# Altium PCB Slave.PcbDoc (part 6 of 11) (continued)
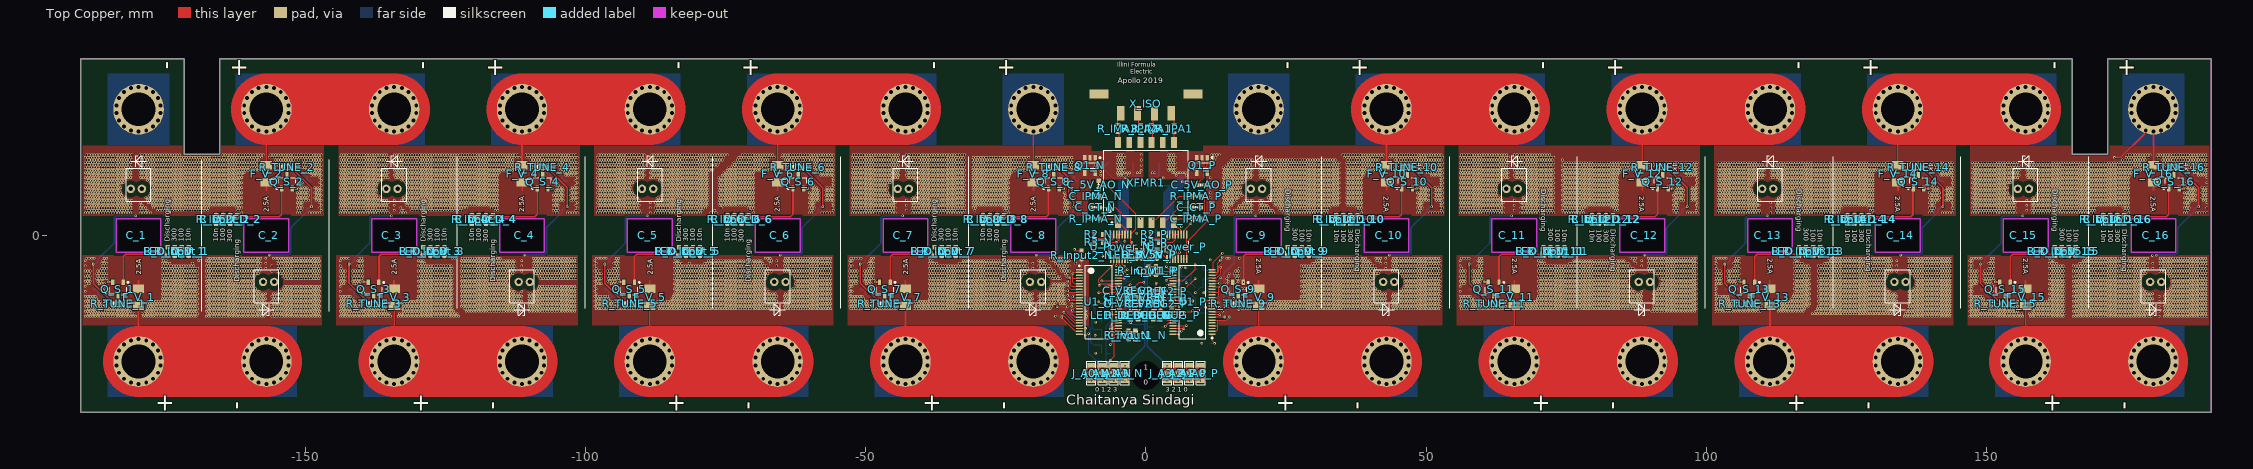
[diagram p0: Top Copper view]
## Nets (pads, with @x,y where several pads share a name; then routed paths per layer and width w, separated by ;. In a path a pad name is that pad's centre, name@x,y a point inside that pad or via, vN(x,y) a via of type N, cw(c..) or ccw(c..) an arc to the next point about the centre after c; other vN are vias at no path point) (continued)
F_10: C_V_10.2 F_V_10.2 PTC_10.2 Q_D_10.2 R_D_LED_10.2 R_Input_10.1 | length 3.9
  Top Copper w0.254: C_V_10.2@33.95,3.6 R_Input_10.1@35.2,3.6 R_D_LED_10.2@36.45,3.6
  Top Copper w0.305: 42.925,8.1 F_V_10.2@42.925,9.48
  other v1: 11.499,4 13.749,4 14.199,4 14.649,4 15.999,4 16.449,4 16.899,4 17.349,4 17.799,4 18.249,4 18.699,4 20.499,4 20.949,4 21.399,4 21.849,4 22.299,4 22.749,4 24.549,4 24.999,4 25.449,4 25.899,4 26.349,4 26.799,4 27.249,4 27.699,4 28.149,4 28.599,4 29.049,4 29.499,4 29.949,4 30.399,4 30.849,4 31.299,4 31.749,4 32.199,4 38.499,4 48.399,4 48.849,4 50.649,4 51.099,4 51.549,4 51.999,4 52.449,4 52.899,4 13.974,4.45 14.424,4.45 14.874,4.45 15.774,4.45 16.224,4.45 16.674,4.45 17.124,4.45 17.574,4.45 18.024,4.45 18.474,4.45 18.924,4.45 20.274,4.45 20.724,4.45 21.174,4.45 21.624,4.45 22.074,4.45 22.524,4.45 23.874,4.45 24.324,4.45 24.774,4.45 25.224,4.45 25.674,4.45 26.124,4.45 26.574,4.45 27.024,4.45 27.474,4.45 27.924,4.45 28.374,4.45 28.824,4.45 29.274,4.45 29.724,4.45 30.174,4.45 30.624,4.45 31.074,4.45 31.524,4.45 31.974,4.45 32.424,4.45 37.824,4.45 38.274,4.45 48.624,4.45 49.074,4.45 52.674,4.45 11.499,4.9 13.749,4.9 14.199,4.9 14.649,4.9 16.449,4.9 16.899,4.9 17.349,4.9 17.799,4.9 18.249,4.9 18.699,4.9 20.499,4.9 20.949,4.9 21.399,4.9 21.849,4.9 23.649,4.9 24.099,4.9 24.549,4.9 24.999,4.9 25.449,4.9 25.899,4.9 26.349,4.9 26.799,4.9 27.249,4.9 27.699,4.9 28.149,4.9 28.599,4.9 29.049,4.9 29.499,4.9 29.949,4.9 30.399,4.9 30.849,4.9 31.299,4.9 31.749,4.9 32.199,4.9 32.649,4.9 37.599,4.9 38.049,4.9 38.499,4.9 48.399,4.9 48.849,4.9 49.299,4.9 52.449,4.9 52.899,4.9 13.974,5.35 14.424,5.35 14.874,5.35 15.324,5.35 16.674,5.35 17.124,5.35 17.574,5.35 18.024,5.35 18.474,5.35 18.924,5.35 20.274,5.35 20.724,5.35 21.174,5.35 21.624,5.35 22.974,5.35 23.424,5.35 23.874,5.35 24.324,5.35 24.774,5.35 25.224,5.35 25.674,5.35 26.124,5.35 26.574,5.35 27.024,5.35 27.474,5.35 27.924,5.35 28.374,5.35 28.824,5.35 29.274,5.35 29.724,5.35 30.174,5.35 30.624,5.35 31.074,5.35 31.524,5.35 31.974,5.35 32.424,5.35 32.874,5.35 33.324,5.35 33.774,5.35 34.224,5.35 36.024,5.35 36.474,5.35 36.924,5.35 37.374,5.35 37.824,5.35 38.274,5.35 48.624,5.35 49.074,5.35 52.674,5.35 11.499,5.8 13.749,5.8 14.199,5.8 14.649,5.8 15.099,5.8 15.549,5.8 17.349,5.8 17.799,5.8 18.249,5.8 18.699,5.8 20.499,5.8 20.949,5.8 22.749,5.8 23.199,5.8 23.649,5.8 24.099,5.8 24.549,5.8 24.999,5.8 25.449,5.8 25.899,5.8 26.349,5.8 26.799,5.8 27.249,5.8 27.699,5.8 28.149,5.8 28.599,5.8 29.049,5.8 29.499,5.8 29.949,5.8 30.399,5.8 30.849,5.8 31.299,5.8 31.749,5.8 32.199,5.8 32.649,5.8 33.099,5.8 33.549,5.8 33.999,5.8 34.449,5.8 35.799,5.8 36.249,5.8 36.699,5.8 37.149,5.8 37.599,5.8 38.049,5.8 38.499,5.8 48.399,5.8 48.849,5.8 49.299,5.8 52.449,5.8 52.899,5.8 13.974,6.25 14.424,6.25 14.874,6.25 15.324,6.25 15.774,6.25 16.224,6.25 17.574,6.25 18.024,6.25 18.474,6.25 18.924,6.25 20.274,6.25 20.724,6.25 22.074,6.25 22.524,6.25 22.974,6.25 23.424,6.25 23.874,6.25 24.324,6.25 24.774,6.25 25.224,6.25 25.674,6.25 26.124,6.25 26.574,6.25 27.024,6.25 27.474,6.25 27.924,6.25 28.374,6.25 28.824,6.25 29.274,6.25 29.724,6.25 30.174,6.25 30.624,6.25 31.074,6.25 31.524,6.25 31.974,6.25 32.424,6.25 32.874,6.25 33.324,6.25 33.774,6.25 34.224,6.25 36.024,6.25 36.474,6.25 36.924,6.25 37.374,6.25 37.824,6.25 38.274,6.25 48.624,6.25 49.074,6.25 49.524,6.25 49.974,6.25 50.424,6.25 51.774,6.25 52.224,6.25 52.674,6.25 11.499,6.7 13.749,6.7 14.199,6.7 14.649,6.7 15.099,6.7 15.549,6.7 15.999,6.7 16.449,6.7 21.849,6.7 22.299,6.7 22.749,6.7 23.199,6.7 23.649,6.7 24.099,6.7 24.549,6.7 24.999,6.7 25.449,6.7 25.899,6.7 26.349,6.7 26.799,6.7 27.249,6.7 27.699,6.7 28.149,6.7 28.599,6.7 29.049,6.7 29.499,6.7 29.949,6.7 30.399,6.7 30.849,6.7 31.299,6.7 31.749,6.7 32.199,6.7 32.649,6.7 33.099,6.7 33.549,6.7 33.999,6.7 34.449,6.7 35.799,6.7 36.249,6.7 36.699,6.7 37.149,6.7 37.599,6.7 38.049,6.7 38.499,6.7 48.399,6.7 48.849,6.7 49.299,6.7 49.749,6.7 50.199,6.7 51.549,6.7 51.999,6.7 52.449,6.7 52.899,6.7 13.974,7.15 14.424,7.15 14.874,7.15 15.324,7.15 15.774,7.15 16.224,7.15 16.674,7.15 17.124,7.15 22.074,7.15 22.524,7.15 22.974,7.15 23.424,7.15 23.874,7.15 24.324,7.15 24.774,7.15 25.224,7.15 25.674,7.15 26.124,7.15 26.574,7.15 27.024,7.15 27.474,7.15 27.924,7.15 28.374,7.15 28.824,7.15 29.274,7.15 29.724,7.15 30.174,7.15 30.624,7.15 31.074,7.15 31.524,7.15 31.974,7.15 32.424,7.15 32.874,7.15 33.324,7.15 33.774,7.15 34.224,7.15 36.024,7.15 36.474,7.15 36.924,7.15 37.374,7.15 37.824,7.15 38.274,7.15 48.624,7.15 49.074,7.15 49.524,7.15 49.974,7.15 50.424,7.15 51.774,7.15 52.224,7.15 52.674,7.15 11.499,7.6 13.749,7.6 14.199,7.6 14.649,7.6 15.099,7.6 15.549,7.6 15.999,7.6 16.449,7.6 16.899,7.6 22.299,7.6 22.749,7.6 23.199,7.6 23.649,7.6 24.099,7.6 24.549,7.6 24.999,7.6 25.449,7.6 25.899,7.6 26.349,7.6 26.799,7.6 27.249,7.6 27.699,7.6 28.149,7.6 28.599,7.6 29.049,7.6 29.499,7.6 29.949,7.6 30.399,7.6 30.849,7.6 31.299,7.6 31.749,7.6 32.199,7.6 32.649,7.6 33.099,7.6 33.549,7.6 33.999,7.6 34.449,7.6 35.799,7.6 36.249,7.6 36.699,7.6 37.149,7.6 37.599,7.6 38.049,7.6 38.499,7.6 48.399,7.6 48.849,7.6 49.299,7.6 49.749,7.6 50.199,7.6 51.549,7.6 51.999,7.6 52.449,7.6 52.899,7.6 13.974,8.05 14.424,8.05 14.874,8.05 15.324,8.05 15.774,8.05 16.224,8.05 16.674,8.05 22.524,8.05 22.974,8.05 23.424,8.05 23.874,8.05 24.324,8.05 24.774,8.05 25.224,8.05 25.674,8.05 26.124,8.05 26.574,8.05 27.024,8.05 27.474,8.05 27.924,8.05 28.374,8.05 28.824,8.05 29.274,8.05 29.724,8.05 30.174,8.05 30.624,8.05 31.074,8.05 31.524,8.05 31.974,8.05 32.424,8.05 32.874,8.05 33.324,8.05 33.774,8.05 34.224,8.05 36.024,8.05 36.474,8.05 36.924,8.05 37.374,8.05 37.824,8.05 38.274,8.05 49.074,8.05 49.524,8.05 49.974,8.05 50.424,8.05 51.774,8.05 52.224,8.05 52.674,8.05 11.499,8.5 13.749,8.5 14.199,8.5 14.649,8.5 15.099,8.5 15.549,8.5 15.999,8.5 16.449,8.5 16.899,8.5 22.749,8.5 23.199,8.5 23.649,8.5 24.099,8.5 24.549,8.5 24.999,8.5 25.449,8.5 25.899,8.5 26.349,8.5 26.799,8.5 27.249,8.5 27.699,8.5 28.149,8.5 28.599,8.5 29.049,8.5 29.499,8.5 29.949,8.5 30.399,8.5 30.849,8.5 31.299,8.5 31.749,8.5 32.199,8.5 32.649,8.5 33.099,8.5 33.549,8.5 33.999,8.5 34.449,8.5 35.799,8.5 36.249,8.5 36.699,8.5 37.149,8.5 37.599,8.5 38.049,8.5 38.499,8.5 48.849,8.5 49.299,8.5 49.749,8.5 50.199,8.5 51.549,8.5 51.999,8.5 52.449,8.5 52.899,8.5 13.974,8.95 14.424,8.95 14.874,8.95 15.324,8.95 15.774,8.95 16.224,8.95 16.674,8.95 22.524,8.95 22.974,8.95 23.424,8.95 23.874,8.95 24.324,8.95 24.774,8.95 25.224,8.95 25.674,8.95 26.124,8.95 26.574,8.95 27.024,8.95 27.474,8.95 27.924,8.95 28.374,8.95 28.824,8.95 29.274,8.95 29.724,8.95 30.174,8.95 30.624,8.95 31.074,8.95 31.524,8.95 31.974,8.95 32.424,8.95 32.874,8.95 33.324,8.95 33.774,8.95 34.224,8.95 36.024,8.95 36.474,8.95 36.924,8.95 37.374,8.95 37.824,8.95 38.274,8.95 49.074,8.95 52.674,8.95 11.499,9.4 13.749,9.4 14.199,9.4 14.649,9.4 15.099,9.4 15.549,9.4 15.999,9.4 16.449,9.4 16.899,9.4 17.349,9.4 22.299,9.4 22.749,9.4 23.199,9.4 23.649,9.4 24.099,9.4 24.549,9.4 24.999,9.4 25.449,9.4 25.899,9.4 26.349,9.4 26.799,9.4 27.249,9.4 27.699,9.4 28.149,9.4 28.599,9.4 29.049,9.4 29.499,9.4 29.949,9.4 30.399,9.4 30.849,9.4 31.299,9.4 31.749,9.4 32.199,9.4 32.649,9.4 33.099,9.4 33.549,9.4 33.999,9.4 34.449,9.4 35.799,9.4 36.249,9.4 36.699,9.4 37.149,9.4 37.599,9.4 38.049,9.4 38.499,9.4 48.849,9.4 49.299,9.4 52.449,9.4 52.899,9.4 13.974,9.85 14.424,9.85 14.874,9.85 15.324,9.85 15.774,9.85 16.224,9.85 16.674,9.85 17.124,9.85 17.574,9.85 21.624,9.85 22.074,9.85 22.524,9.85 22.974,9.85 23.424,9.85 23.874,9.85 24.324,9.85 24.774,9.85 25.224,9.85 25.674,9.85 26.124,9.85 26.574,9.85 27.024,9.85 27.474,9.85 27.924,9.85 28.374,9.85 28.824,9.85 29.274,9.85 29.724,9.85 30.174,9.85 30.624,9.85 31.074,9.85 31.524,9.85 31.974,9.85 32.424,9.85 32.874,9.85 33.324,9.85 33.774,9.85 34.224,9.85 36.024,9.85 36.474,9.85 36.924,9.85 37.374,9.85 37.824,9.85 38.274,9.85 52.674,9.85 11.499,10.3 13.749,10.3 14.199,10.3 14.649,10.3 15.099,10.3 15.549,10.3 15.999,10.3 16.449,10.3 16.899,10.3 17.349,10.3 17.799,10.3 18.249,10.3 18.699,10.3 20.499,10.3 20.949,10.3 21.399,10.3 21.849,10.3 22.299,10.3 22.749,10.3 23.199,10.3 23.649,10.3 24.099,10.3 24.549,10.3 24.999,10.3 25.449,10.3 25.899,10.3 26.349,10.3 26.799,10.3 27.249,10.3 27.699,10.3 28.149,10.3 28.599,10.3 29.049,10.3 29.499,10.3 29.949,10.3 30.399,10.3 30.849,10.3 31.299,10.3 31.749,10.3 32.199,10.3 32.649,10.3 33.099,10.3 33.549,10.3 33.999,10.3 34.449,10.3 35.799,10.3 36.249,10.3 36.699,10.3 37.149,10.3 37.599,10.3 38.049,10.3 38.499,10.3 52.449,10.3 52.899,10.3 13.974,10.75 14.424,10.75 14.874,10.75 15.324,10.75 15.774,10.75 16.224,10.75 16.674,10.75 17.124,10.75 17.574,10.75 18.024,10.75 18.474,10.75 18.924,10.75 20.274,10.75 20.724,10.75 21.174,10.75 21.624,10.75 22.074,10.75 22.524,10.75 22.974,10.75 23.424,10.75 23.874,10.75 24.324,10.75 24.774,10.75 25.224,10.75 25.674,10.75 26.124,10.75 26.574,10.75 27.024,10.75 27.474,10.75 27.924,10.75 28.374,10.75 28.824,10.75 29.274,10.75 29.724,10.75 30.174,10.75 30.624,10.75 31.074,10.75 31.524,10.75 31.974,10.75 32.424,10.75 32.874,10.75 33.324,10.75 33.774,10.75 34.224,10.75 36.024,10.75 36.474,10.75 36.924,10.75 37.374,10.75 37.824,10.75 38.274,10.75 38.724,10.75 50.874,10.75 51.324,10.75 51.774,10.75 52.224,10.75 52.674,10.75 13.749,11.2 14.199,11.2 14.649,11.2 15.099,11.2 15.549,11.2 15.999,11.2 16.449,11.2 16.899,11.2 17.349,11.2 17.799,11.2 18.249,11.2 18.699,11.2 20.499,11.2 20.949,11.2 21.399,11.2 21.849,11.2 22.299,11.2 22.749,11.2 23.199,11.2 23.649,11.2 24.099,11.2 24.549,11.2 24.999,11.2 25.449,11.2 25.899,11.2 26.349,11.2 26.799,11.2 27.249,11.2 27.699,11.2 28.149,11.2 28.599,11.2 29.049,11.2 29.499,11.2 29.949,11.2 30.399,11.2 30.849,11.2 31.299,11.2 31.749,11.2 32.199,11.2 32.649,11.2 33.099,11.2 33.549,11.2 33.999,11.2 34.449,11.2 35.799,11.2 36.249,11.2 36.699,11.2 37.149,11.2 37.599,11.2 38.049,11.2 38.499,11.2 38.949,11.2 50.199,11.2 50.649,11.2 51.099,11.2 51.549,11.2 51.999,11.2 52.449,11.2 52.899,11.2 13.974,11.65 14.424,11.65 14.874,11.65 15.324,11.65 15.774,11.65 16.224,11.65 16.674,11.65 17.124,11.65 17.574,11.65 18.024,11.65 18.474,11.65 18.924,11.65 20.274,11.65 20.724,11.65 21.174,11.65 21.624,11.65 22.074,11.65 22.524,11.65 22.974,11.65 23.424,11.65 23.874,11.65 24.324,11.65 24.774,11.65 25.224,11.65 25.674,11.65 26.124,11.65 26.574,11.65 27.024,11.65 27.474,11.65 27.924,11.65 28.374,11.65 28.824,11.65 29.274,11.65 29.724,11.65 30.174,11.65 30.624,11.65 31.074,11.65 31.524,11.65 31.974,11.65 32.424,11.65 32.874,11.65 33.324,11.65 33.774,11.65 34.224,11.65 36.024,11.65 36.474,11.65 36.924,11.65 37.374,11.65 37.824,11.65 38.274,11.65 38.724,11.65 39.174,11.65 39.624,11.65 40.074,11.65 40.524,11.65 40.974,11.65 41.424,11.65 49.974,11.65 50.424,11.65 50.874,11.65 51.324,11.65 51.774,11.65 52.224,11.65 52.674,11.65 11.499,12.1 13.749,12.1 14.199,12.1 14.649,12.1 15.099,12.1 15.549,12.1 15.999,12.1 16.449,12.1 16.899,12.1 17.349,12.1 17.799,12.1 18.249,12.1 18.699,12.1 20.499,12.1 20.949,12.1 21.399,12.1 21.849,12.1 22.299,12.1 22.749,12.1 23.199,12.1 23.649,12.1 24.099,12.1 24.549,12.1 24.999,12.1 25.449,12.1 25.899,12.1 26.349,12.1 26.799,12.1 27.249,12.1 27.699,12.1 28.149,12.1 28.599,12.1 29.049,12.1 29.499,12.1 29.949,12.1 30.399,12.1 30.849,12.1 31.299,12.1 31.749,12.1 32.199,12.1 32.649,12.1 33.099,12.1 33.549,12.1 33.999,12.1 34.449,12.1 35.799,12.1 36.249,12.1 36.699,12.1 37.149,12.1 37.599,12.1 38.049,12.1 38.499,12.1 38.949,12.1 39.399,12.1 39.849,12.1 40.299,12.1 40.749,12.1 41.199,12.1 44.349,12.1 49.299,12.1 49.749,12.1 50.199,12.1 50.649,12.1 51.099,12.1 51.549,12.1 51.999,12.1 52.449,12.1 52.899,12.1 14.424,12.55 14.874,12.55 15.324,12.55 15.774,12.55 16.224,12.55 16.674,12.55 17.124,12.55 17.574,12.55 18.024,12.55 18.474,12.55 18.924,12.55 20.274,12.55 20.724,12.55 21.174,12.55 21.624,12.55 22.074,12.55 22.524,12.55 22.974,12.55 23.424,12.55 23.874,12.55 24.324,12.55 24.774,12.55 25.224,12.55 25.674,12.55 26.124,12.55 26.574,12.55 27.024,12.55 27.474,12.55 27.924,12.55 28.374,12.55 28.824,12.55 29.274,12.55 29.724,12.55 30.174,12.55 30.624,12.55 31.074,12.55 31.524,12.55 31.974,12.55 32.424,12.55 32.874,12.55 33.324,12.55 33.774,12.55 34.224,12.55 36.024,12.55 36.474,12.55 36.924,12.55 37.374,12.55 37.824,12.55 38.274,12.55 38.724,12.55 39.174,12.55 39.624,12.55 40.074,12.55 40.524,12.55 40.974,12.55 41.424,12.55 44.574,12.55 45.024,12.55 49.074,12.55 49.524,12.55 49.974,12.55 50.424,12.55 50.874,12.55 51.324,12.55 51.774,12.55 52.224,12.55 52.674,12.55 11.499,13 14.649,13 15.099,13 15.549,13 15.999,13 16.449,13 16.899,13 17.349,13 17.799,13 18.249,13 18.699,13 20.499,13 20.949,13 21.399,13 21.849,13 22.299,13 22.749,13 23.199,13 23.649,13 24.099,13 24.549,13 24.999,13 25.449,13 25.899,13 26.349,13 26.799,13 27.249,13 27.699,13 28.149,13 28.599,13 29.049,13 29.499,13 29.949,13 30.399,13 30.849,13 31.299,13 31.749,13 32.199,13 32.649,13 33.099,13 33.549,13 33.999,13 34.449,13 35.799,13 36.249,13 36.699,13 37.149,13 37.599,13 38.049,13 38.499,13 38.949,13 39.399,13 39.849,13 40.299,13 40.749,13 41.199,13 44.349,13 44.799,13 45.249,13 45.699,13 46.149,13 46.599,13 47.049,13 47.499,13 47.949,13 48.399,13 48.849,13 49.299,13 49.749,13 50.199,13 50.649,13 51.099,13 51.549,13 51.999,13 52.449,13 52.899,13 11.724,13.45 12.174,13.45 15.324,13.45 15.774,13.45 16.224,13.45 16.674,13.45 17.124,13.45 17.574,13.45 18.024,13.45 18.474,13.45 18.924,13.45 20.274,13.45 20.724,13.45 21.174,13.45 21.624,13.45 22.074,13.45 22.524,13.45 22.974,13.45 23.424,13.45 23.874,13.45 24.324,13.45 24.774,13.45 25.224,13.45 25.674,13.45 26.124,13.45 26.574,13.45 27.024,13.45 27.474,13.45 27.924,13.45 28.374,13.45 28.824,13.45 29.274,13.45 29.724,13.45 30.174,13.45 30.624,13.45 31.074,13.45 31.524,13.45 31.974,13.45 32.424,13.45 32.874,13.45 33.324,13.45 33.774,13.45 36.024,13.45 36.474,13.45 36.924,13.45 37.374,13.45 37.824,13.45 38.274,13.45 38.724,13.45 39.174,13.45 39.624,13.45 40.074,13.45 40.524,13.45 40.974,13.45 41.424,13.45 44.574,13.45 45.024,13.45 45.474,13.45 45.924,13.45 46.374,13.45 46.824,13.45 47.274,13.45 47.724,13.45 48.174,13.45 48.624,13.45 49.074,13.45 49.524,13.45 49.974,13.45 50.424,13.45 50.874,13.45 51.324,13.45 51.774,13.45 52.224,13.45 52.674,13.45 11.949,13.9 12.399,13.9 35.349,13.9 35.799,13.9 36.249,13.9 36.699,13.9 37.149,13.9 37.599,13.9 38.049,13.9 38.499,13.9 38.949,13.9 39.399,13.9 39.849,13.9 40.299,13.9 40.749,13.9 41.199,13.9 41.649,13.9 42.099,13.9 43.449,13.9 43.899,13.9 44.349,13.9 44.799,13.9 45.249,13.9 45.699,13.9 46.149,13.9 46.599,13.9 47.049,13.9 47.499,13.9 47.949,13.9 48.399,13.9 48.849,13.9 49.299,13.9 49.749,13.9 50.199,13.9 50.649,13.9 51.099,13.9 51.549,13.9 51.999,13.9 52.449,13.9 52.899,13.9 11.724,14.35 12.174,14.35 12.624,14.35 13.074,14.35 35.124,14.35 35.574,14.35 36.024,14.35 36.474,14.35 36.924,14.35 37.374,14.35 37.824,14.35 38.274,14.35 38.724,14.35 39.174,14.35 39.624,14.35 40.074,14.35 40.524,14.35 40.974,14.35 41.424,14.35 41.874,14.35 42.324,14.35 43.674,14.35 44.124,14.35 44.574,14.35 45.024,14.35 45.474,14.35 45.924,14.35 46.374,14.35 46.824,14.35 47.274,14.35 47.724,14.35 48.174,14.35 48.624,14.35 49.074,14.35 49.524,14.35 49.974,14.35 50.424,14.35 50.874,14.35 51.324,14.35 51.774,14.35 52.224,14.35 52.674,14.35